# KiCad board arena_12-12_v8_ni.kicad_pcb (continued)
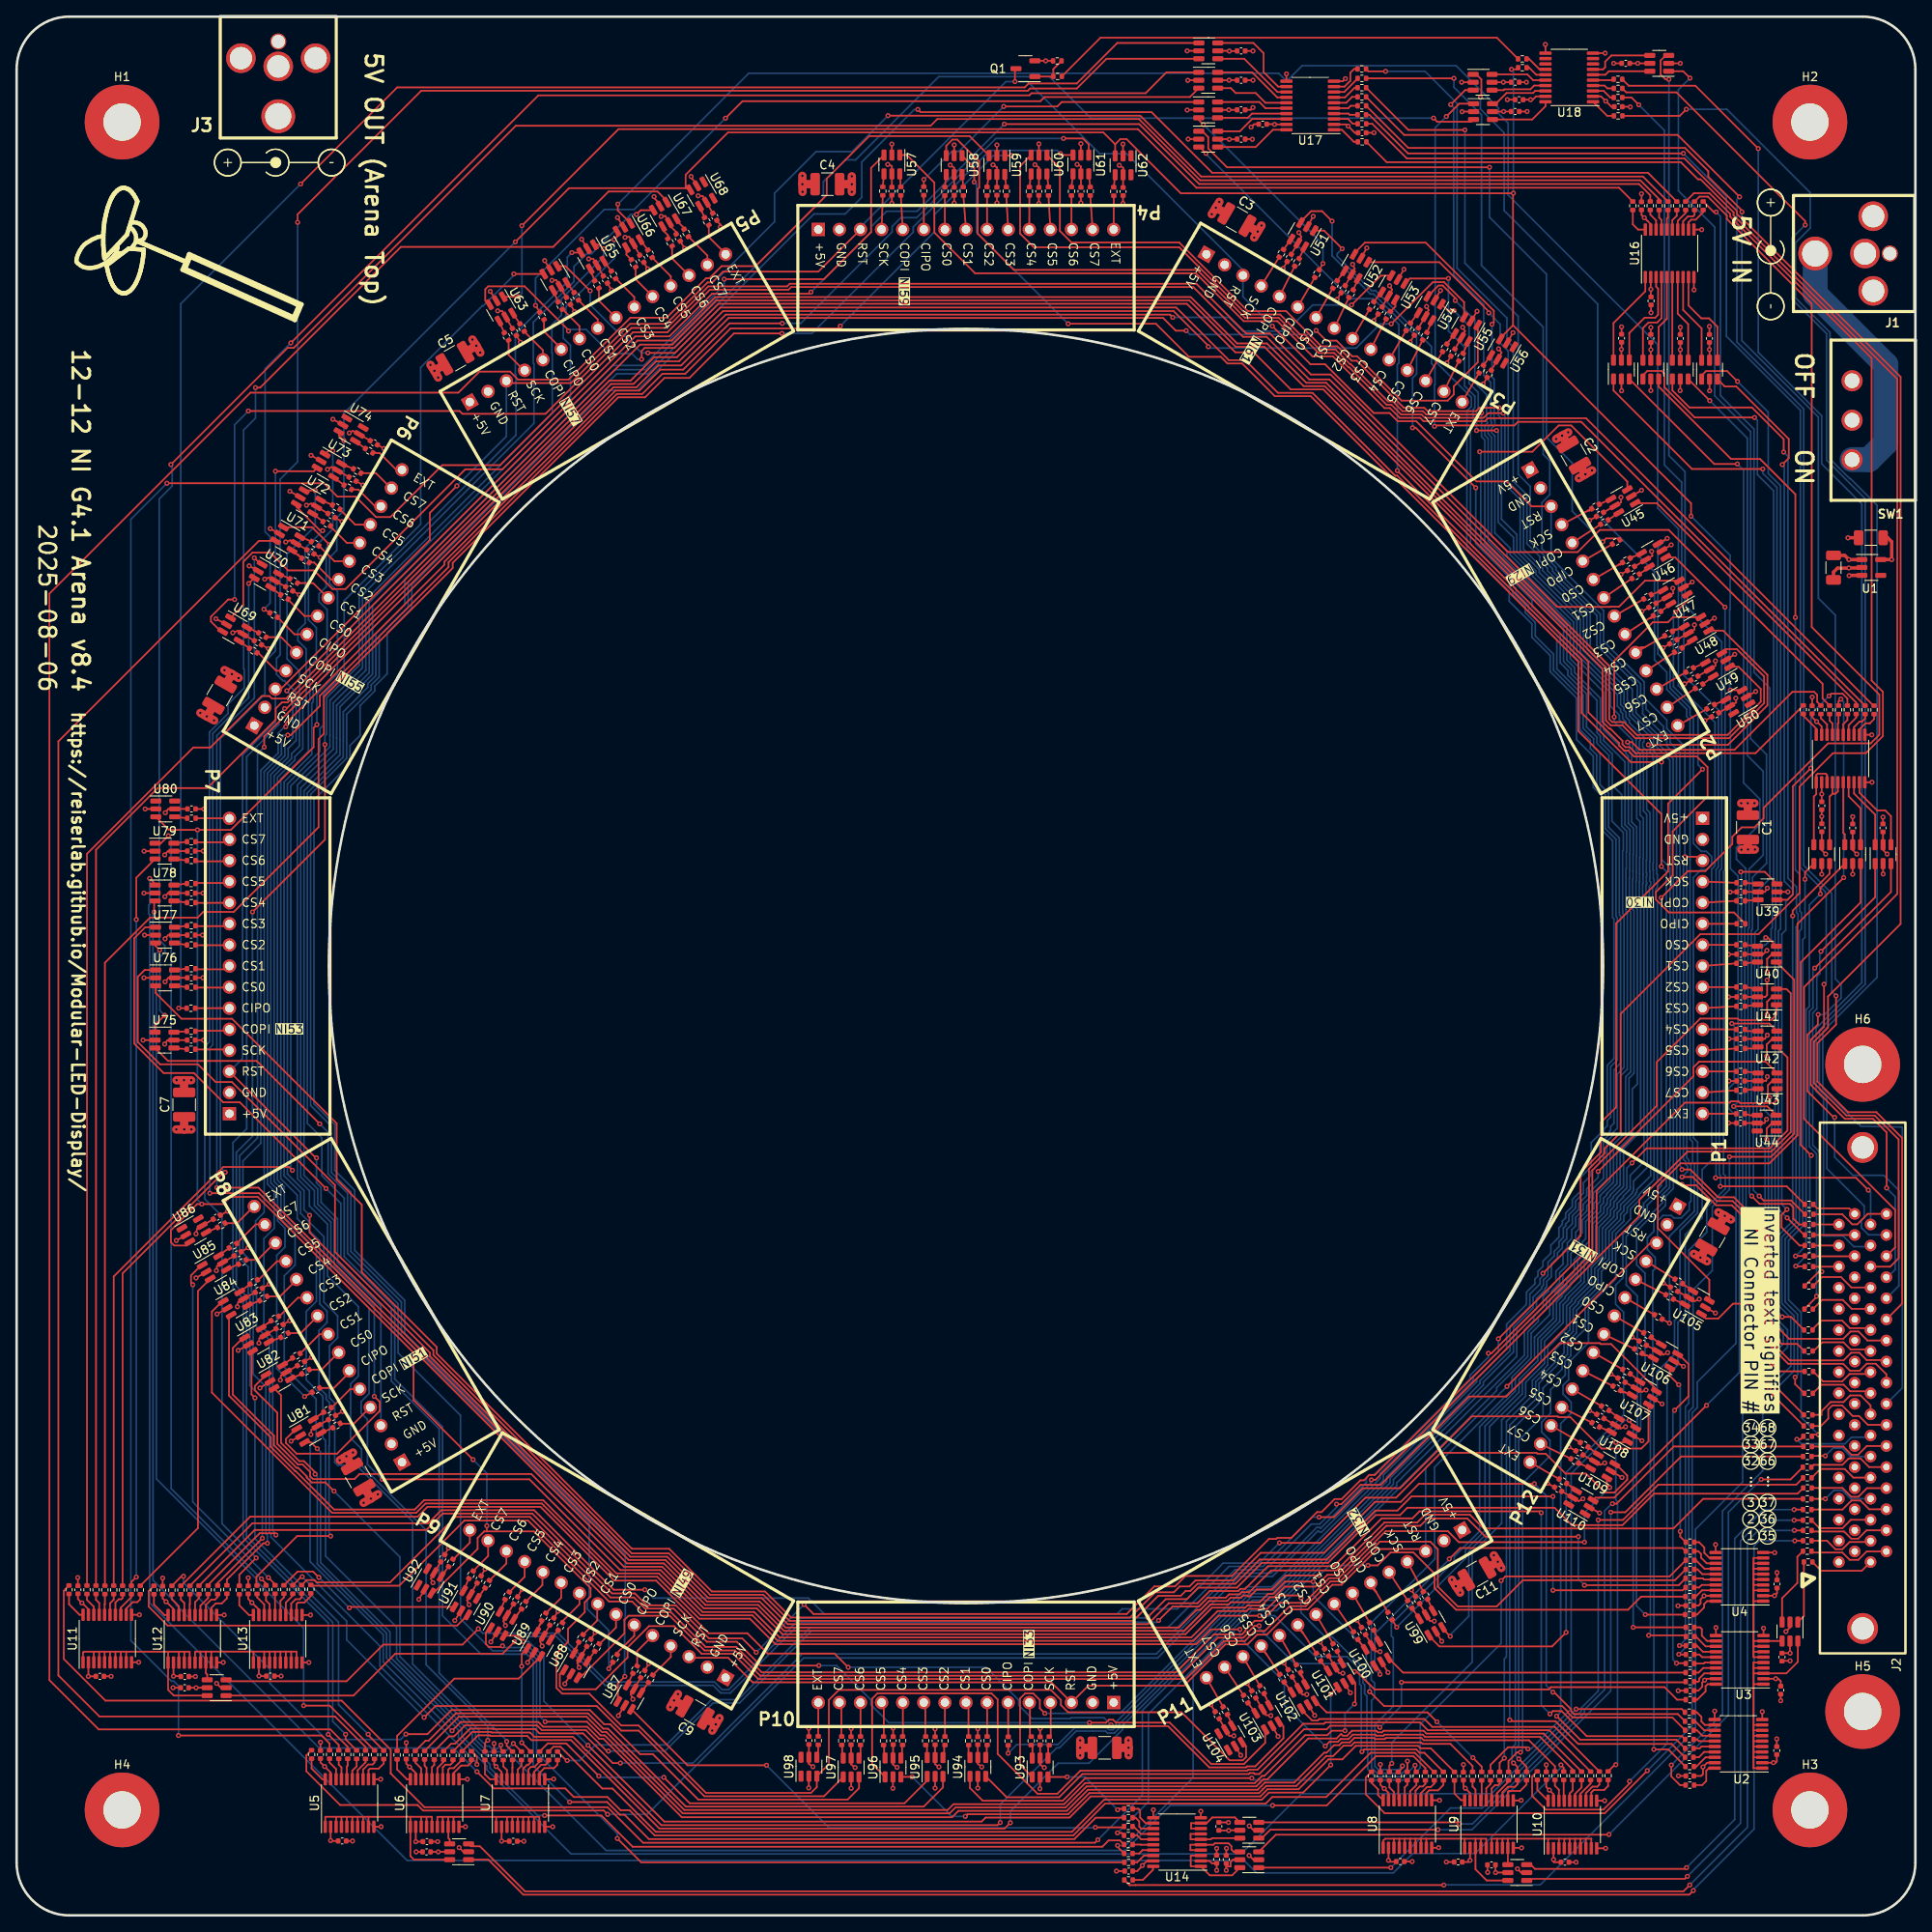
[diagram p0: board, top side]
## Routing (per net, layer and track width the routed paths; a pad name or vN(x,y) marks a point on that pad's centre or on a via; arc(x,y) is an arc through that point) (continued)
Net-(U15-A3): length 9.5
  Top w0.2: 218.62,135.04 218.99,135.04 219.26,135.32 U15.5 ; 218.62,135.04 218.27,134.7 U25.4 ; 218.62,135.04 218.62,136.42
Net-(U15-A5): length 7.6
  Top w0.2: U26.6 220.1,130.15 219.92,130.34 219.92,136.42
Net-(U15-A6): length 8.1
  Top w0.2: U15.7 220.56,134.74 222,133.3 U26.4
Net-(U15-A7): length 8.6
  Top w0.2: U15.8 221.21,135.06 223.76,132.52 U27.6
Net-(U15-A8): length 9.7
  Top w0.2: U15.9 221.87,135.16 224,133.03 224.98,133.03 225.66,132.34 U27.4
Net-(U15-B1): length 3.2
  Top w0.2: U15.20 216.67,142.89 215.11,144.45 R133.2
Net-(U15-B2): length 2.8
  Top w0.2: U15.18 217.96,143.39 217.23,144.13 R134.2
Net-(U15-B3): length 2.6
  Top w0.2: 218.62,142.14 218.62,143.49 218.27,143.83 R135.2
Net-(U15-B4): length 2.5
  Top w0.2: R136.2 219.35,143.57 219.26,143.49 U15.16
Net-(U15-B5): length 2.7
  Top w0.2: 219.92,142.14 219.92,143.42 220.42,143.92 R137.2
Net-(U15-B6): length 2.9
  Top w0.2: U15.14 220.56,143.29 221.48,144.2 R138.2
Net-(U15-B7): length 3.2
  Top w0.2: U15.13 221.21,143.07 221.88,143.73 222.18,143.73 222.55,144.1 R139.2
Net-(U15-B8): length 3.5
  Top w0.2: R140.2 223.62,144.03 223.15,143.55 223.15,143.53 222.59,143.53 221.87,142.8 U15.12
Net-(U16-A1): length 11.6
  Top w0.2: U32.6 192.25,191.71 196.08,195.54 U16.1
Net-(U16-A2): length 12.3
  Top w0.2: U32.4 194.15,190.51 196,192.35 197.27,192.35 197.62,192.7 197.62,195.85 197.38,196.09 U16.3
Net-(U16-A3): length 11.5
  Top w0.2: 198.04,197.24 198.04,192.3 197.51,191.78 196.48,191.78 195.8,191.1 U34.6
Net-(U16-A4): length 10.4
  Top w0.2: U34.4 197.69,191.25 198.69,192.24 U16.5
Net-(U16-A5): length 10
  Top w0.2: U16.6 199.33,187.25
Net-(U16-A6): length 10.5
  Top w0.2: U33.4 201.25,191.58 199.99,192.84 U16.7
Net-(U16-A7): length 10.9
  Top w0.2: U35.6 202.87,191.06 200.63,193.29 U16.8
Net-(U16-A8): length 12
  Top w0.2: U16.9 201.29,193.82 202.82,192.28 203.75,192.28 204.76,191.26 U35.4
Net-(U16-B1): length 3.5
  Top w0.2: 194.58,205.32 194.58,203.6 195.21,202.96 U16.20
Net-(U16-B2): length 2.7
  Top w0.2: R142.2 196.68,204.77 197.38,204.07 U16.18
Net-(U16-B3): length 2.5
  Top w0.2: 197.75,205.32 197.75,204.4 198.04,204.12 198.04,202.96
Net-(U16-B4): length 2.4
  Top w0.2: 198.81,205.32 198.81,204.41 198.69,204.29 U16.16
Net-(U16-B5): length 2.6
  Top w0.2: U16.15 199.33,204.09 199.87,204.62 199.87,205.32
Net-(U16-B6): length 2.8
  Top w0.2: 200.94,205.32 200.94,204.97 199.99,204.01 U16.14
Net-(U16-B7): length 3.3
  Top w0.2: U16.13 200.63,203.96 201.23,204.55 201.82,204.55 202.01,204.74 202.01,205.32
Net-(U16-B8): length 3.4
  Top w0.2: U16.12 201.29,203.84 201.6,204.15 202.14,204.15 203.05,205.06 R148.2
Net-(U17-A1): length 3.5
  Top w0.2: U17.1 159.55,214.98 161,213.53 R149.1
Net-(U17-A2): length 3.1
  Top w0.2: U17.3 160.3,216.28 160.88,215.7 R150.1
Net-(U17-A3): length 2.9
  Top w0.2: U17.4 160.35,216.93 160.49,216.79 R151.1
Net-(U17-A4): length 3
  Top w0.2: R152.1 160.62,217.87 160.32,217.58 U17.5
Net-(U17-A5): length 3.1
  Top w0.2: R153.1 160.78,218.94 160.07,218.23 U17.6
Net-(U17-A6): length 3.3
  Top w0.2: R154.1 161.09,220.05 159.93,218.88 158.6,218.88
Net-(U17-A7): length 3.5
  Top w0.2: 161.45,221.14 159.83,219.53 U17.8
Net-(U17-A8): length 4.3
  Top w0.2: U17.9 159.87,220.18 160.57,220.88 160.57,221.85 161.02,222.3 R156.1
Net-(U17-B1): length 9.1
  Top w0.2: U17.20 151.25,214.98 149.18,212.9 U28.4
Net-(U17-B2): length 8.9
  Top w0.2: U28.6 147.28,214.8 148.75,216.28 U17.18
Net-(U17-B3): length 8.5
  Top w0.2: U17.17 148.73,216.93 148.23,216.42 U29.4
Net-(U17-B4): length 8.6
  Top w0.2: U29.6 149.6,218.32 150.35,217.58 U17.16
Net-(U17-B5): length 9
  Top w0.2: U17.15 150.35,218.23 149.18,219.4 146.78,219.4 146.19,219.99 U30.4
Net-(U17-B6): length 9.5
  Top w0.2: 152.88,218.88 151.78,218.88 148.76,221.89 U30.6
Net-(U17-B7): length 9.9
  Top w0.2: U31.4 147.79,223.53 151.8,219.53 U17.13
Net-(U17-B8): length 11.8
  Top w0.2: U31.6 148.9,225.43 150.12,224.2 150.12,221.93 151.88,220.18 U17.12
Net-(U18-A1): length 3.2
  Top w0.2: U18.1 191.49,216.65 R159.2
Net-(U18-A2): length 2.8
  Top w0.2: U18.3 191.07,219.65 191.87,218.86 192.28,218.86
Net-(U18-A3): length 2.6
  Top w0.2: R161.2 191.51,219.96 191.18,220.3 U18.4
Net-(U18-A4): length 2.4
  Top w0.2: U18.5 192.18,220.95
Net-(U18-A5): length 7
  Top w0.2: U38.6 191.7,222.03 191.28,221.6 U18.6
Net-(U18-A6): length 7.9
  Top w0.2: U38.4 192,223.93 191.25,223.18 191.25,222.5 191,222.25 U18.7
Net-(U18-B1): length 7.6
  Top w0.2: U18.20 184.06,217.82 182.47,216.22 U36.4
Net-(U18-B2): length 6.6
  Top w0.2: U18.18 182.82,219.65 182.57,219.4 179.38,219.4 178.09,218.12
Net-(U18-B3): length 6.7
  Top w0.2: U18.17 182.7,220.3 182.25,219.85 179.12,219.85 179.02,219.75 U37.4
Net-(U18-B4): length 6.7
  Top w0.2: U18.16 182.57,220.95 181.88,221.65 U37.6
Net-(U18-B5): length 2.6
  Top w0.2: R157.2 182.1,222.45 182.95,221.6 U18.15
Net-(U18-B6): length 2.8
  Top w0.2: U18.14 183.35,222.25 182.09,223.51 R158.2

## Copper pours and planes (outline as drawn; the poured copper is in the pictures)
+3.3V on In3.Cu: 6.35,227.33 1.27,222.25 1.27,6.35 6.35,1.27 222.25,1.27 227.33,6.35 227.33,222.25 222.25,227.33
+5V on In2.Cu: 1.27,222.25 1.27,6.35 6.35,1.27 222.25,1.27 227.33,6.35 227.33,222.25 222.25,227.33 6.35,227.33
GND on In1.Cu: 1.27,222.25 1.27,6.35 6.35,1.27 222.25,1.27 227.33,6.35 227.33,222.25 222.25,227.33 6.35,227.33
GND on In4.Cu: 6.35,227.33 1.27,222.25 1.27,6.35 6.35,1.27 222.25,1.27 227.33,6.35 227.33,222.25 222.25,227.33

## Text on the board
B.Silkscreen: ${COMMENT1}
F.Silkscreen: EXT | CS7 | CS6 | CS5 | CS4 | CS3 | CS2 | CS1 | CS0 | CIPO | COPI | SCK | RST | GND | +5V | NI30 | NI29 | NI53 | 34 | 33 | 32 | 3 | 2 | 1 | 68 | 67 | 66 | 37 | 36 | 35 | NI51 | NI49 | NI33 | ... | NI32 | NI31 | NI61 | NI59 | NI57 | NI55 | Inverted text signifies / NI Connector PIN # | ${COMMENT1} | ${ISSUE_DATE} | 5V OUT (Arena Top) | OFF | ON | 5V IN | 12-12 NI G4.1 Arena ${REVISION}
